# KiCad board scanhead_pcb.kicad_pcb (continued)
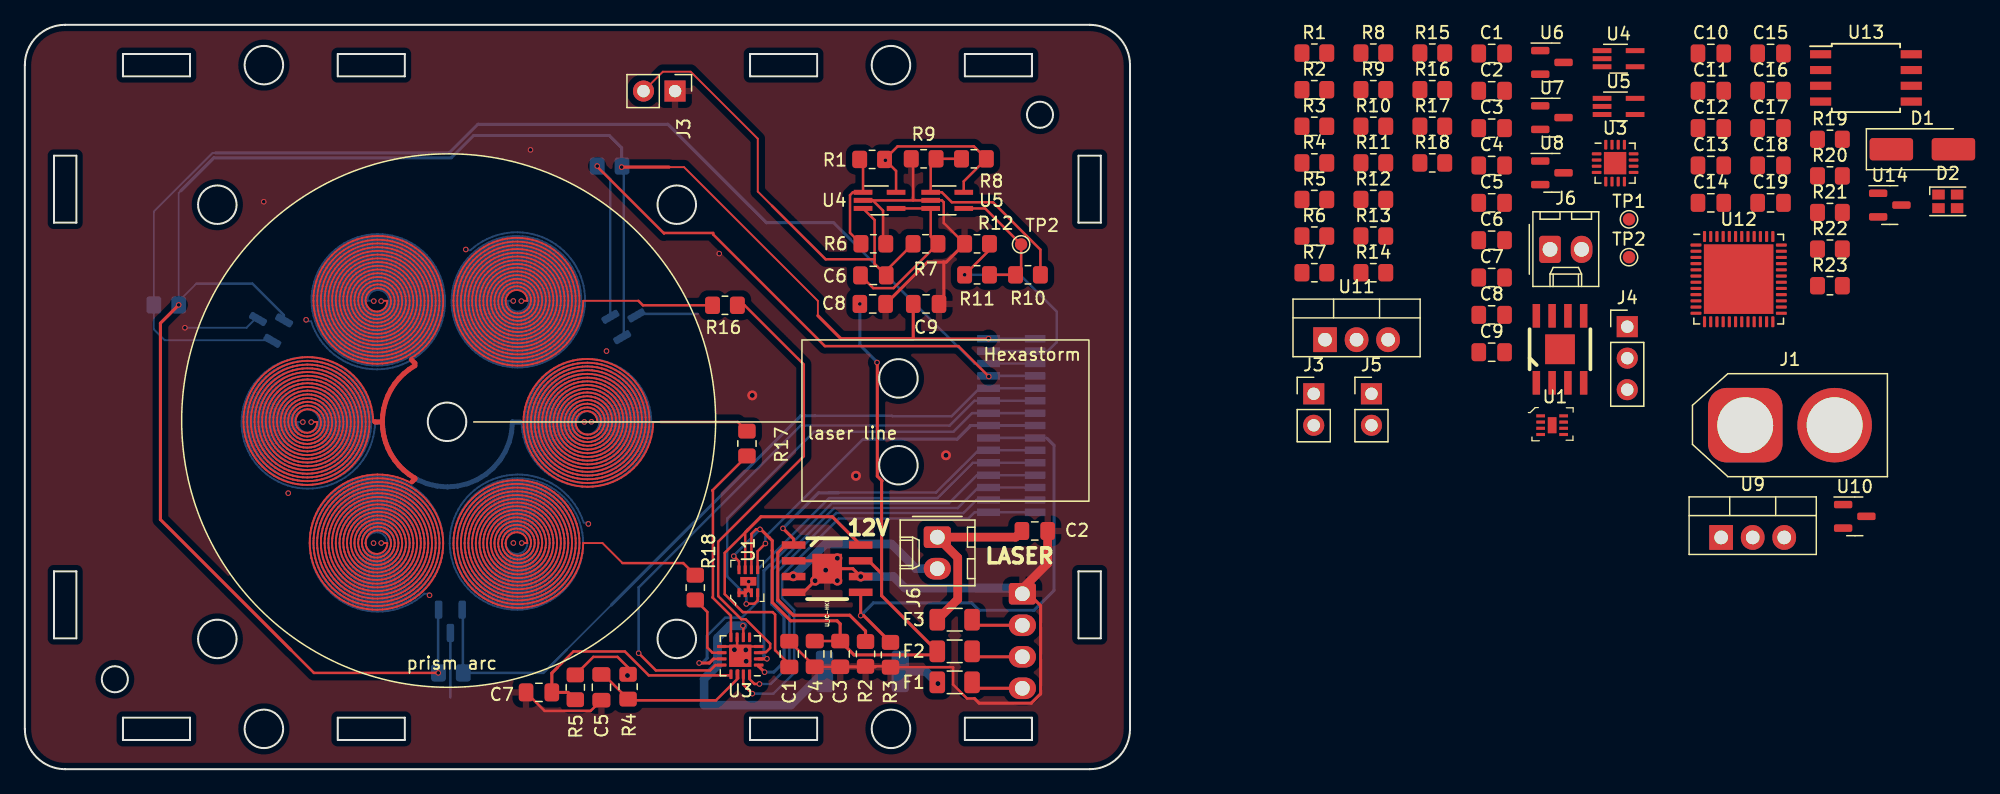
[diagram p0: board, top side]
## Routing (per net, layer and track width the routed paths; a pad name or vN(x,y) marks a point on that pad's centre or on a via; arc(x,y) is an arc through that point) (continued)
  Bottom w0.15: 39.31,37.75 38.86,37.75 38.88,37.54 38.95,37.34 39.07,37.16 39.24,37.02 39.44,36.92 39.66,36.88 39.89,36.9 40.11,36.97 40.31,37.11 40.47,37.29 40.57,37.51 40.61,37.75 40.59,38 40.51,38.24 40.36,38.45 40.16,38.62 39.93,38.73 39.66,38.78 39.4,38.76 39.14,38.66 38.91,38.51 38.73,38.29 38.61,38.04 38.56,37.75 38.58,37.51 38.65,37.27 38.78,37.05 38.95,36.86 39.16,36.71 39.41,36.62 39.66,36.58 39.93,36.6 40.18,36.68 40.42,36.81 40.62,36.99 40.77,37.22 40.87,37.48 40.91,37.75 40.89,38.03 40.81,38.31 40.67,38.55 40.47,38.76 40.23,38.93 39.96,39.04 39.66,39.08 39.37,39.06 39.08,38.97 38.82,38.81 38.6,38.61 38.42,38.35 38.31,38.06 38.26,37.75 38.28,37.48 38.35,37.21 38.48,36.96 38.65,36.74 38.86,36.55 39.11,36.41 39.38,36.32 39.66,36.28 39.95,36.3 40.24,36.37 40.5,36.5 40.73,36.68 40.93,36.91 41.08,37.17 41.18,37.45 41.21,37.75 41.19,38.06 41.11,38.35 40.98,38.63 40.79,38.88 40.55,39.08 40.28,39.24 39.98,39.34 39.66,39.38 39.35,39.36 39.04,39.27 38.75,39.13 38.49,38.93 38.27,38.68 38.11,38.4 38.01,38.08 37.96,37.75 37.98,37.46 38.05,37.17 38.17,36.89 38.34,36.64 38.54,36.42 38.79,36.24 39.06,36.1 39.36,36.01 39.66,35.98 39.97,36 40.28,36.07 40.56,36.19 40.83,36.37 41.06,36.59 41.24,36.84 41.39,37.13 41.48,37.43 41.51,37.75 41.49,38.08 41.42,38.39 41.29,38.69 41.11,38.96 40.88,39.2 40.61,39.4 40.32,39.55 40,39.64 39.66,39.68 39.33,39.66 39,39.58 38.69,39.44 38.41,39.25 38.16,39.02 37.95,38.74 37.8,38.43 37.7,38.1 37.66,37.75 37.68,37.44 37.75,37.13 37.86,36.84 38.02,36.56 38.22,36.31 38.46,36.1 38.73,35.92 39.03,35.79 39.34,35.71 39.66,35.68 39.99,35.7 40.31,35.77 40.62,35.88 40.9,36.05 41.16,36.26 41.38,36.51 41.56,36.79 41.69,37.09 41.78,37.42 41.81,37.75 41.8,38.09 41.72,38.42 41.6,38.74 41.43,39.04 41.21,39.3 40.95,39.53 40.66,39.72 40.35,39.86 40.01,39.94 39.66,39.98 39.32,39.96 38.97,39.88 38.64,39.76 38.34,39.58 38.06,39.35 37.83,39.09 37.64,38.79 37.49,38.46 37.4,38.11 37.36,37.75 37.38,37.43 37.44,37.1 37.55,36.79 37.71,36.5 37.9,36.23 38.13,35.98 38.4,35.78 38.69,35.61 39,35.49 39.33,35.41 39.66,35.38 40,35.4 40.34,35.46 40.66,35.57 40.96,35.73 41.24,35.93 41.49,36.17 41.7,36.44 41.87,36.74 42,37.07 42.08,37.41 42.11,37.75 42.1,38.1 42.03,38.45 41.91,38.78 41.75,39.09 41.54,39.38 41.3,39.64 41.01,39.85 40.7,40.03 40.37,40.16 40.02,40.25 39.66,40.28 39.3,40.26 38.95,40.19 38.61,40.07 38.28,39.9 37.99,39.69 37.73,39.43 37.5,39.14 37.32,38.83 37.18,38.48 37.1,38.12 37.06,37.75 37.08,37.41 37.14,37.08 37.25,36.75 37.39,36.44 37.58,36.15 37.8,35.89 38.06,35.66 38.34,35.46 38.65,35.3 38.98,35.18 39.32,35.11 39.66,35.08 40.01,35.1 40.36,35.16 40.7,35.27 41.01,35.42 41.31,35.61 41.58,35.84 41.82,36.1 42.02,36.39 42.19,36.71 42.31,37.05 42.38,37.4 42.41,37.75 42.4,38.11 42.33,38.47 42.22,38.81 42.07,39.14 41.87,39.45 41.64,39.72 41.37,39.97 41.06,40.18 40.74,40.35 40.39,40.47 40.03,40.55 39.66,40.58 39.29,40.56 38.93,40.49 38.58,40.38 38.24,40.22 37.93,40.02 37.64,39.78 37.39,39.5 37.17,39.19 37,38.86 36.88,38.5 36.8,38.13 36.76,37.75 36.78,37.4 36.84,37.06 36.94,36.72 37.08,36.4 37.25,36.09 37.47,35.81 37.71,35.55 37.99,35.33 38.29,35.14 38.62,34.99 38.96,34.88 39.31,34.81 39.66,34.78 40.02,34.79 40.38,34.85 40.73,34.96 41.06,35.1 41.37,35.28 41.66,35.5 41.92,35.75 42.15,36.04 42.34,36.35 42.5,36.68 42.61,37.03 42.69,37.39 42.71,37.75 42.7,38.12 42.64,38.49 42.53,38.84 42.39,39.18 42.2,39.5 41.97,39.8 41.71,40.07 41.42,40.3 41.11,40.5 40.77,40.66 40.41,40.78 40.04,40.85 39.66,40.88 39.29,40.86 38.91,40.8 38.55,40.69 38.2,40.54 37.87,40.35 37.57,40.12 37.3,39.85 37.05,39.56 36.85,39.23 36.69,38.88 36.57,38.52 36.49,38.14 36.46,37.75 36.48,37.39 36.53,37.04 36.63,36.69 36.76,36.36 36.93,36.04 37.14,35.74 37.38,35.46 37.64,35.22 37.94,35 38.25,34.82 38.59,34.68 38.94,34.57 39.3,34.5 39.66,34.48 40.03,34.49 40.4,34.55 40.75,34.65 41.09,34.78 41.42,34.96 41.73,35.17 42.01,35.41 42.26,35.69 42.48,35.99 42.66,36.31 42.81,36.65 42.92,37.01 42.99,37.38 43.01,37.75 43,38.13 42.94,38.5 42.84,38.87 42.7,39.22 42.52,39.55 42.31,39.86 42.06,40.15 41.78,40.41 41.47,40.63 41.14,40.82 40.79,40.97 40.42,41.08 40.05,41.15 39.66,41.18 39.28,41.16 38.9,41.1 38.53,41 38.17,40.86 37.83,40.68 37.51,40.46 37.22,40.2 36.95,39.92 36.72,39.6 36.53,39.26 36.38,38.9 36.26,38.53 36.19,38.15 36.16,37.75 36.18,37.39 36.23,37.02 36.32,36.67 36.45,36.32 36.61,35.99 36.81,35.68 37.04,35.39 37.3,35.12 37.58,34.89 37.89,34.68 38.22,34.51 38.56,34.37 38.92,34.27 39.29,34.2 39.66,34.18 40.04,34.19 40.41,34.25 40.77,34.34 41.13,34.47 41.46,34.64 41.78,34.84 42.08,35.07 42.35,35.33 42.59,35.63 42.8,35.94 42.98,36.28 43.12,36.63 43.22,37 43.29,37.37 43.31,37.75 43.3,38.14 43.24,38.51 43.15,38.89 43.02,39.25 42.85,39.59 42.64,39.92 42.4,40.22 42.13,40.5 41.84,40.74 41.51,40.96 41.17,41.14 40.81,41.28 40.44,41.39 40.05,41.45 39.66,41.48 39.27,41.46 38.89,41.41 38.51,41.31 38.14,41.17 37.79,41 37.46,40.79 37.15,40.55 36.87,40.27 36.61,39.97 36.4,39.64 36.21,39.29 36.06,38.92 35.96,38.54 35.89,38.15 35.86,37.75 35.88,37.38 35.93,37.01 36.01,36.65 36.14,36.29 36.29,35.95 36.48,35.63 36.7,35.32 36.95,35.04 37.23,34.78 37.53,34.56 37.85,34.36 38.19,34.19 38.54,34.06 38.91,33.96 39.29,33.9 39.66,33.88 40.04,33.89 40.42,33.94 40.79,34.03 41.15,34.16 41.5,34.32 41.83,34.51 42.14,34.73 42.43,34.99 42.69,35.27 42.93,35.57 43.13,35.9 43.3,36.25 43.43,36.61 43.53,36.98 43.59,37.37 43.61,37.75 43.6,38.14 43.55,38.53 43.46,38.9 43.33,39.27 43.17,39.63 42.97,39.96 42.74,40.28 42.48,40.57 42.2,40.84 41.89,41.08 41.55,41.28 41.2,41.46 40.83,41.59 40.45,41.69 40.06,41.75 39.66,41.78 39.27,41.76 38.88,41.71 38.49,41.62 38.12,41.49 37.76,41.32 37.41,41.12 37.09,40.89 36.79,40.63 36.52,40.33 36.28,40.02 36.07,39.68 35.89,39.32 35.75,38.94 35.65,38.55 35.59,38.16 35.56,37.75 35.58,37.38 35.63,37 35.71,36.63 35.82,36.27 35.97,35.92 36.16,35.58 36.37,35.26 36.61,34.97 36.88,34.69 37.17,34.45 37.48,34.23 37.81,34.04 38.16,33.88 38.53,33.75 38.9,33.66 39.28,33.6 39.66,33.58 40.05,33.59 40.43,33.64 40.81,33.73 41.18,33.84 41.54,34 41.88,34.18 42.2,34.4 42.5,34.64 42.78,34.91 43.03,35.21 43.26,35.53 43.45,35.87 43.61,36.22 43.74,36.59 43.83,36.97 43.89,37.36 43.91,37.75 43.9,38.15 43.85,38.54 43.76,38.92 43.64,39.3 43.49,39.66 43.3,40.01 43.08,40.33 42.83,40.64 42.55,40.92 42.25,41.18 41.93,41.41 41.58,41.61 41.22,41.77 40.84,41.9 40.46,42 40.06,42.06 39.66,42.08 39.27,42.06 38.87,42.01 38.48,41.93 38.1,41.8 37.73,41.65 37.37,41.45 37.04,41.23 36.73,40.98 36.44,40.69 36.18,40.39 35.95,40.06 35.75,39.71 35.58,39.34 35.45,38.95 35.35,38.56 35.29,38.16 35.26,37.75 35.28,37.37 35.32,36.99 35.4,36.61 35.51,36.24 35.66,35.89 35.83,35.54 36.04,35.21 36.27,34.9 36.53,34.62 36.81,34.35 37.11,34.11 37.44,33.9 37.78,33.72 38.14,33.56 38.51,33.44 38.89,33.35 39.27,33.3 39.66,33.28 40.05,33.29 40.44,33.34 40.83,33.42 41.2,33.53 41.56,33.68 41.91,33.86 42.25,34.06 42.56,34.3 42.86,34.56 43.12,34.85 43.37,35.16 43.58,35.49 43.77,35.84 43.92,36.2 44.05,36.58 44.14,36.97 44.19,37.36 44.21,37.75 44.2,38.15 44.15,38.55 44.07,38.93 43.96,39.32 43.81,39.69 43.63,40.04 43.42,40.38 43.18,40.7 42.91,41 42.62,41.27 42.3,41.52 41.96,41.74 41.61,41.93 41.24,42.08 40.86,42.21 40.47,42.3 40.07,42.36 39.66,42.38 39.26,42.37 38.86,42.32 38.46,42.23 38.08,42.12 37.7,41.96 37.34,41.78 36.99,41.57 36.67,41.32 36.37,41.05 36.09,40.75 35.84,40.43 35.62,40.09 35.42,39.73 35.26,39.36 35.14,38.97 35.04,38.57 34.99,38.16 34.96,37.75 34.98,37.37 35.02,36.98 35.1,36.6 35.2,36.22 35.34,35.86 35.51,35.51 35.71,35.17 35.93,34.85 36.18,34.55 36.45,34.27 36.75,34.01 37.07,33.78 37.4,33.58 37.75,33.4 38.12,33.25 38.5,33.14 38.88,33.05 39.27,33 39.66,32.98 40.06,32.99 40.45,33.04 40.84,33.11 41.22,33.22 41.59,33.36 41.95,33.53 42.29,33.73 42.62,33.96 42.92,34.21 43.21,34.49 43.47,34.79 43.7,35.12 43.91,35.46 44.09,35.81 44.24,36.18 44.35,36.57 44.44,36.96 44.49,37.35 44.51,37.75 44.5,38.15 44.46,38.55 44.38,38.95 44.27,39.33 44.12,39.71 43.95,40.07 43.75,40.42 43.52,40.75 43.26,41.06 42.98,41.35 42.67,41.62 42.34,41.85 42,42.06 41.63,42.25 41.26,42.4 40.87,42.52 40.47,42.6 40.07,42.66 39.66,42.68 39.26,42.67 38.85,42.62 38.45,42.54 38.06,42.43 37.68,42.28 37.31,42.11 36.96,41.9 36.62,41.67 36.3,41.4 36.01,41.12 35.74,40.81 35.5,40.47 35.29,40.12 35.1,39.75 34.95,39.37 34.83,38.98 34.74,38.58 34.69,38.17 34.66,37.75 34.68,37.36 34.72,36.97 34.79,36.58 34.89,36.2 35.03,35.83 35.19,35.47 35.38,35.13 35.6,34.8 35.84,34.48 36.1,34.19 36.39,33.92 36.7,33.67 37.03,33.45 37.37,33.25 37.73,33.08 38.1,32.94 38.48,32.83 38.87,32.75 39.27,32.7 39.66,32.68 40.06,32.69 40.46,32.73 40.85,32.81 41.24,32.91 41.61,33.05 41.98,33.21 42.33,33.4 42.67,33.62 42.98,33.87 43.28,34.14 43.55,34.43 43.81,34.74 44.03,35.08 44.23,35.43 44.41,35.79 44.55,36.17 44.66,36.55 44.74,36.95 44.79,37.35 44.81,37.75 44.8,38.16 44.76,38.56 44.68,38.96 44.58,39.35 44.44,39.73 44.27,40.1 44.08,40.46 43.86,40.8 43.61,41.12 43.33,41.42 43.04,41.7 42.72,41.96 42.38,42.19 42.03,42.39 41.66,42.56 41.27,42.71 40.88,42.82 40.48,42.91 40.07,42.96 39.66,42.98 39.25,42.97 38.85,42.92 38.44,42.85 38.05,42.74 37.66,42.6 37.28,42.43 36.92,42.23 36.58,42.01 36.25,41.75 35.94,41.47 35.66,41.17 35.4,40.85 35.17,40.51 34.96,40.15 34.79,39.77 34.64,39.39 34.52,38.99 34.44,38.58 34.38,38.17 34.36,37.75 34.38,37.36 34.42,36.96 34.49,36.57 34.59,36.19 34.71,35.81 34.87,35.44 35.05,35.09 35.26,34.75 35.5,34.43 35.75,34.12 36.03,33.84 36.33,33.58 36.65,33.34 36.99,33.12 37.34,32.93 37.71,32.77 38.08,32.63 38.47,32.52 38.86,32.45 39.26,32.4 39.66,32.38 40.07,32.39 40.47,32.43 40.86,32.5 41.25,32.6 41.63,32.73 42.01,32.89 42.36,33.08 42.71,33.29 43.04,33.53 43.34,33.79 43.63,34.07 43.9,34.38 44.14,34.7 44.36,35.04 44.56,35.4 44.72,35.77 44.86,36.15 44.97,36.54 45.05,36.94 45.1,37.35 45.11,37.75 45.1,38.16 45.06,38.57 44.99,38.97 44.89,39.36 44.75,39.75 44.59,40.13 44.41,40.49 44.19,40.84 43.95,41.17 43.69,41.48 43.4,41.78 43.09,42.05 42.76,42.3 42.41,42.52 42.05,42.71 41.68,42.88 41.29,43.02 40.89,43.13 40.49,43.21 40.08,43.26 39.66,43.28 39.25,43.27 38.84,43.22 38.43,43.15 38.03,43.05 37.64,42.91 37.26,42.75 36.89,42.56 36.54,42.34 36.2,42.1 35.88,41.83 35.59,41.83 35.49,41.93 ; 22.69,36.23 22.81,36.11 23.05,36.11 23.19,35.71 23.36,35.33 23.56,34.97 23.79,34.62 24.04,34.28 24.31,33.97 24.61,33.68 24.92,33.41 25.26,33.17 25.61,32.95 25.98,32.76 26.36,32.59 26.76,32.46 27.16,32.36 27.56,32.28 27.98,32.24 28.39,32.23 28.8,32.25 29.21,32.3 29.62,32.38 30.01,32.49 30.4,32.63 30.78,32.8 31.14,32.99 31.49,33.21 31.81,33.46 32.12,33.73 32.41,34.02 32.68,34.34 32.92,34.67 33.13,35.02 33.32,35.38 33.48,35.76 33.61,36.14 33.71,36.54 33.79,36.94 33.83,37.35 33.84,37.75 33.82,38.16 33.77,38.56 33.69,38.96 33.58,39.36 33.45,39.74 33.28,40.11 33.09,40.47 32.87,40.81 32.63,41.13 32.36,41.44 32.07,41.72 31.76,41.98 31.43,42.22 31.09,42.43 30.73,42.62 30.36,42.77 29.98,42.9 29.59,43 29.19,43.08 28.79,43.12 28.39,43.13 27.99,43.11 27.59,43.06 27.2,42.98 26.81,42.88 26.43,42.74 26.07,42.58 25.71,42.39 25.38,42.17 25.06,41.93 24.76,41.67 24.48,41.38 24.22,41.08 23.99,40.76 23.78,40.42 23.6,40.06 23.44,39.7 23.31,39.32 23.21,38.94 23.14,38.54 23.1,38.15 23.09,37.75 23.11,37.34 23.16,36.93 23.25,36.52 23.36,36.12 23.51,35.73 23.69,35.36 23.89,35 24.13,34.66 24.38,34.33 24.67,34.03 24.97,33.75 25.3,33.5 25.65,33.28 26.01,33.08 26.38,32.91 26.77,32.77 27.17,32.66 27.57,32.59 27.98,32.54 28.39,32.53 28.8,32.55 29.21,32.6 29.61,32.68 30,32.8 30.38,32.94 30.75,33.12 31.11,33.32 31.44,33.55 31.76,33.81 32.06,34.09 32.33,34.39 32.58,34.71 32.8,35.05 33,35.41 33.16,35.78 33.3,36.16 33.41,36.55 33.48,36.95 33.53,37.35 33.54,37.75 33.52,38.16 33.47,38.56 33.39,38.95 33.27,39.34 33.13,39.72 32.96,40.08 32.76,40.43 32.53,40.76 32.28,41.08 32,41.37 31.71,41.64 31.39,41.88 31.05,42.1 30.7,42.3 30.34,42.46 29.96,42.59 29.58,42.7 29.18,42.77 28.79,42.82 28.39,42.83 27.99,42.81 27.6,42.76 27.21,42.68 26.83,42.57 26.45,42.43 26.1,42.26 25.75,42.06 25.42,41.84 25.12,41.59 24.83,41.32 24.56,41.02 24.32,40.71 24.1,40.38 23.91,40.03 23.75,39.67 23.62,39.3 23.52,38.92 23.44,38.54 23.4,38.15 23.39,37.75 23.41,37.34 23.47,36.93 23.55,36.53 23.68,36.14 23.83,35.75 24.01,35.39 24.23,35.03 24.47,34.7 24.74,34.39 25.03,34.1 25.35,33.84 25.68,33.61 26.03,33.4 26.4,33.23 26.79,33.08 27.18,32.97 27.58,32.89 27.98,32.84 28.39,32.83 28.8,32.85 29.2,32.9 29.6,32.99 29.98,33.11 30.36,33.26 30.72,33.44 31.07,33.65 31.4,33.89 31.7,34.16 31.98,34.44 32.24,34.76 32.47,35.09 32.68,35.43 32.85,35.8 32.99,36.17 33.1,36.56 33.18,36.95 33.23,37.35 33.24,37.75 33.22,38.15 33.17,38.55 33.08,38.94 32.96,39.32 32.81,39.69 32.63,40.05 32.43,40.39 32.19,40.71 31.93,41.01 31.65,41.29 31.34,41.55 31.02,41.77 30.67,41.97 30.32,42.14 29.95,42.28 29.56,42.39 29.18,42.47 28.78,42.52 28.39,42.53 28,42.51 27.6,42.46 27.22,42.37 26.84,42.26 26.48,42.11 26.13,41.93 25.79,41.73 25.48,41.5 25.18,41.24 24.91,40.96 24.66,40.66 24.43,40.34 24.24,40 24.07,39.65 23.93,39.28 23.82,38.91 23.75,38.53 23.7,38.14 23.69,37.75 23.71,37.34 23.77,36.94 23.86,36.54 23.99,36.15 24.15,35.78 24.34,35.42 24.56,35.07 24.81,34.75 25.09,34.46 25.4,34.19 25.72,33.94 26.06,33.73 26.43,33.54 26.8,33.39 27.19,33.27 27.58,33.19 27.99,33.14 28.39,33.13 28.79,33.15 29.19,33.21 29.58,33.3 29.97,33.42 30.34,33.58 30.69,33.77 31.03,33.99 31.34,34.24 31.63,34.51 31.9,34.81 32.14,35.13 32.35,35.47 32.53,35.82 32.68,36.19 32.8,36.57 32.88,36.96 32.93,37.36 32.94,37.75 32.92,38.15 32.86,38.54 32.77,38.93 32.65,39.3 32.49,39.67 32.31,40.02 32.09,40.35 31.85,40.66 31.58,40.94 31.29,41.21 30.97,41.44 30.64,41.65 30.29,41.83 29.93,41.97 29.55,42.09 29.17,42.17 28.78,42.22 28.39,42.23 28,42.21 27.61,42.15 27.23,42.06 26.86,41.94 26.51,41.79 26.16,41.61 25.84,41.4 25.53,41.16 25.25,40.89 24.99,40.6 24.76,40.29 24.56,39.97 24.38,39.62 24.24,39.26 24.13,38.9 24.05,38.52 24,38.14 23.99,37.75 24.01,37.35 24.07,36.95 24.17,36.55 24.3,36.17 24.47,35.8 24.67,35.45 24.9,35.12 25.16,34.81 25.45,34.53 25.76,34.28 26.1,34.05 26.45,33.86 26.82,33.7 27.2,33.58 27.59,33.49 27.99,33.44 28.39,33.43 28.79,33.45 29.18,33.51 29.57,33.61 29.95,33.74 30.31,33.9 30.65,34.1 30.98,34.33 31.28,34.58 31.56,34.87 31.81,35.17 32.03,35.5 32.21,35.85 32.37,36.21 32.49,36.59 32.58,36.97 32.63,37.36 32.64,37.75 32.62,38.15 32.56,38.53 32.46,38.91 32.34,39.28 32.17,39.64 31.98,39.98 31.76,40.3 31.5,40.59 31.23,40.87 30.92,41.11 30.6,41.33 30.26,41.51 29.9,41.66 29.54,41.78 29.16,41.87 28.78,41.92 28.39,41.93 28,41.91 27.62,41.85 27.25,41.76 26.89,41.63 26.54,41.47 26.21,41.28 25.89,41.06 25.6,40.81 25.33,40.54 25.09,40.24 24.88,39.93 24.7,39.59 24.55,39.24 24.43,38.88 24.35,38.51 24.3,38.13 24.29,37.75 24.31,37.35 24.38,36.96 24.48,36.57 24.62,36.19 24.79,35.83 25,35.49 25.25,35.17 25.52,34.88 25.82,34.62 26.14,34.38 26.48,34.18 26.84,34.02 27.22,33.89 27.6,33.8 27.99,33.74 28.39,33.73 28.78,33.75 29.17,33.82 29.55,33.92 29.92,34.05 30.28,34.22 30.61,34.43 30.92,34.67 31.21,34.93 31.47,35.23 31.7,35.54 31.89,35.88 32.06,36.23 32.18,36.6 32.27,36.98 32.33,37.37 32.34,37.75 32.32,38.14 32.25,38.52 32.16,38.9 32.02,39.26 31.85,39.6 31.65,39.93 31.42,40.24 31.16,40.52 30.87,40.77 30.56,41 30.23,41.19 29.88,41.35 29.52,41.48 29.15,41.56 28.77,41.61 28.39,41.63 28.01,41.61 27.64,41.55 27.27,41.45 26.91,41.32 26.57,41.15 26.25,40.95 25.95,40.72 25.68,40.47 25.43,40.19 25.21,39.88 25.02,39.56 24.86,39.22 24.74,38.86 24.65,38.5 24.6,38.13 24.59,37.75 24.62,37.36 24.68,36.97 24.79,36.58 24.94,36.22 25.12,35.87 25.34,35.54 25.59,35.23 25.87,34.96 26.18,34.72 26.51,34.51 26.87,34.33 27.23,34.2 27.61,34.1 28,34.04 28.39,34.03 28.78,34.05 29.16,34.12 29.54,34.23 29.9,34.37 30.24,34.55 30.56,34.76 30.86,35.01 31.13,35.29 31.37,35.59 31.57,35.92 31.74,36.26 31.88,36.62 31.97,36.99 32.02,37.37 32.04,37.75 32.01,38.13 31.95,38.51 31.85,38.88 31.71,39.23 31.53,39.57 31.32,39.88 31.08,40.17 30.81,40.44 30.51,40.67 30.19,40.87 29.85,41.04 29.5,41.17 29.13,41.26 28.76,41.31 28.39,41.33 28.02,41.3 27.65,41.24 27.29,41.14 26.94,41 26.61,40.83 26.31,40.62 26.02,40.38 25.76,40.12 25.53,39.83 25.34,39.52 25.17,39.19 25.05,38.84 24.96,38.48 24.9,38.12 24.89,37.75 24.92,37.36 24.99,36.98 25.1,36.6 25.26,36.24 25.45,35.91 25.68,35.59 25.94,35.31 26.23,35.05 26.55,34.83 26.89,34.65 27.25,34.51 27.62,34.4 28.01,34.34 28.39,34.33 28.77,34.36 29.15,34.43 29.52,34.54 29.87,34.69 30.2,34.88 30.5,35.1 30.78,35.36 31.03,35.65 31.25,35.96 31.43,36.29 31.57,36.64 31.67,37.01 31.72,37.38 31.74,37.75 31.71,38.13 31.65,38.5 31.54,38.85 31.39,39.2 31.2,39.52 30.98,39.82 30.73,40.1 30.45,40.34 30.15,40.55 29.82,40.72 29.48,40.86 29.12,40.96 28.76,41.01 28.39,41.03 28.02,41 27.66,40.94 27.31,40.83 26.98,40.69 26.66,40.5 26.37,40.29 26.1,40.04 25.86,39.77 25.66,39.47 25.49,39.15 25.35,38.82 25.26,38.47 25.2,38.11 25.19,37.75 25.22,37.37 25.29,36.99 25.41,36.63 25.58,36.28 25.78,35.95 26.02,35.65 26.29,35.39 26.6,35.16 26.93,34.97 27.28,34.82 27.64,34.71 28.01,34.65 28.39,34.63 28.77,34.66 29.13,34.73 29.49,34.85 29.83,35.01 30.15,35.21 30.44,35.44 30.7,35.71 30.92,36 31.11,36.33 31.26,36.67 31.36,37.02 31.42,37.39 31.44,37.75 31.41,38.12 31.34,38.48 31.23,38.83 31.07,39.16 30.88,39.47 30.65,39.75 30.39,40.01 30.1,40.23 29.78,40.41 29.45,40.55 29.1,40.65 28.75,40.71 28.39,40.73 28.03,40.7 27.68,40.63 27.34,40.52 27.02,40.37 26.72,40.18 26.44,39.95 26.19,39.7 25.98,39.42 25.8,39.11 25.66,38.79 25.56,38.45 25.5,38.1 25.49,37.75 25.52,37.38 25.6,37.01 25.73,36.65 25.9,36.32 26.11,36.01 26.37,35.73 26.65,35.49 26.96,35.29 27.3,35.13 27.66,35.01 28.02,34.95 28.39,34.93 28.76,34.96 29.12,35.04 29.46,35.16 29.79,35.33 30.09,35.54 30.36,35.78 30.6,36.06 30.79,36.37 30.95,36.69 31.06,37.04 31.12,37.39 31.14,37.75 31.11,38.11 31.03,38.46 30.91,38.8 30.75,39.12 30.55,39.41 30.31,39.67 30.04,39.9 29.74,40.09 29.42,40.24 29.09,40.35 28.74,40.41 28.39,40.43 28.04,40.4 27.7,40.33 27.37,40.21 27.06,40.05 26.78,39.85 26.52,39.62 26.3,39.36 26.12,39.07 25.97,38.76 25.87,38.43 25.81,38.09 25.79,37.75 25.82,37.38 25.91,37.03 26.04,36.68 26.23,36.36 26.45,36.07 26.71,35.82 27.01,35.61 27.33,35.44 27.67,35.32 28.03,35.25 28.39,35.23 28.75,35.26 29.1,35.34 29.43,35.48 29.74,35.65 30.02,35.87 30.27,36.13 30.47,36.41 30.64,36.73 30.75,37.06 30.82,37.4 30.84,37.75 30.81,38.1 30.73,38.44 30.6,38.76 30.43,39.06 30.22,39.34 29.97,39.57 29.69,39.77 29.38,39.93 29.06,40.05 28.73,40.11 28.39,40.13 28.05,40.1 27.72,40.02 27.41,39.9 27.12,39.73 26.86,39.52 26.63,39.28 26.43,39.01 26.28,38.72 26.17,38.41 26.11,38.08 26.09,37.75 26.13,37.4 26.22,37.05 26.36,36.72 26.55,36.42 26.79,36.15 27.06,35.93 27.37,35.75 27.7,35.62 28.04,35.55 28.39,35.53 28.74,35.56 29.07,35.65 29.39,35.79 29.68,35.98 29.94,36.21 30.15,36.47 30.33,36.77 30.45,37.08 30.52,37.42 30.54,37.75 30.51,38.09 30.42,38.41 30.29,38.72 30.1,39 29.88,39.25 29.63,39.46 29.34,39.62 29.04,39.74 28.72,39.81 28.39,39.83 28.07,39.8 27.75,39.71 27.46,39.58 27.19,39.41 26.95,39.19 26.75,38.95 26.59,38.67 26.47,38.38 26.41,38.07 26.39,37.75 26.43,37.41 26.53,37.08 26.68,36.77 26.88,36.49 27.13,36.25 27.41,36.07 27.73,35.93 28.05,35.85 28.39,35.83 28.72,35.87 29.04,35.96 29.34,36.11 29.61,36.3 29.83,36.54 30.01,36.82 30.14,37.12 30.22,37.43 30.24,37.75 30.2,38.07 30.11,38.38 29.97,38.67 29.78,38.92 29.55,39.14 29.29,39.31 29,39.44 28.7,39.51 28.39,39.53 28.08,39.49 27.79,39.41 27.51,39.27 27.27,39.09 27.06,38.87 26.9,38.62 26.78,38.34 26.71,38.05 26.69,37.75 26.73,37.42 26.84,37.11 27,36.82 27.21,36.58 27.47,36.38 27.76,36.24 28.07,36.15 28.39,36.13 28.7,36.17 29,36.27 29.28,36.43 29.51,36.63 29.7,36.88 29.84,37.15 29.92,37.45 29.94,37.75 29.9,38.05 29.8,38.34 29.65,38.6 29.46,38.82 29.22,39 28.96,39.13 28.68,39.21 28.39,39.23 28.1,39.19 27.83,39.1 27.59,38.96 27.37,38.77 27.2,38.55 27.08,38.3 27.01,38.03 26.99,37.75 27.04,37.44 27.15,37.16 27.32,36.9 27.54,36.69 27.81,36.54 28.09,36.45 28.39,36.43 28.68,36.47 28.96,36.58 29.2,36.74 29.39,36.95 29.53,37.2 29.62,37.47 29.64,37.75 29.6,38.03 29.5,38.29 29.34,38.51 29.14,38.7 28.91,38.83 28.65,38.91 28.39,38.93 28.13,38.89 27.89,38.79 27.68,38.65 27.5,38.46 27.38,38.24 27.31,38 27.29,37.75 27.34,37.47 27.46,37.22 27.64,37 27.86,36.84 